# Altium PCB Quark_no.PcbDoc (part 3 of 3)
Units mil, origin at the board's own origin, x right, y up, seen from the top; angles counter-clockwise.
Board outline 877.01 x 1246.5 mil, 6 copper layers (Top1, Signal2, Power4, Gnd3, Signal5, Bottom6), stack 33.911 mil thick; 123 components, 164 nets, 918 pads, 390 vias.
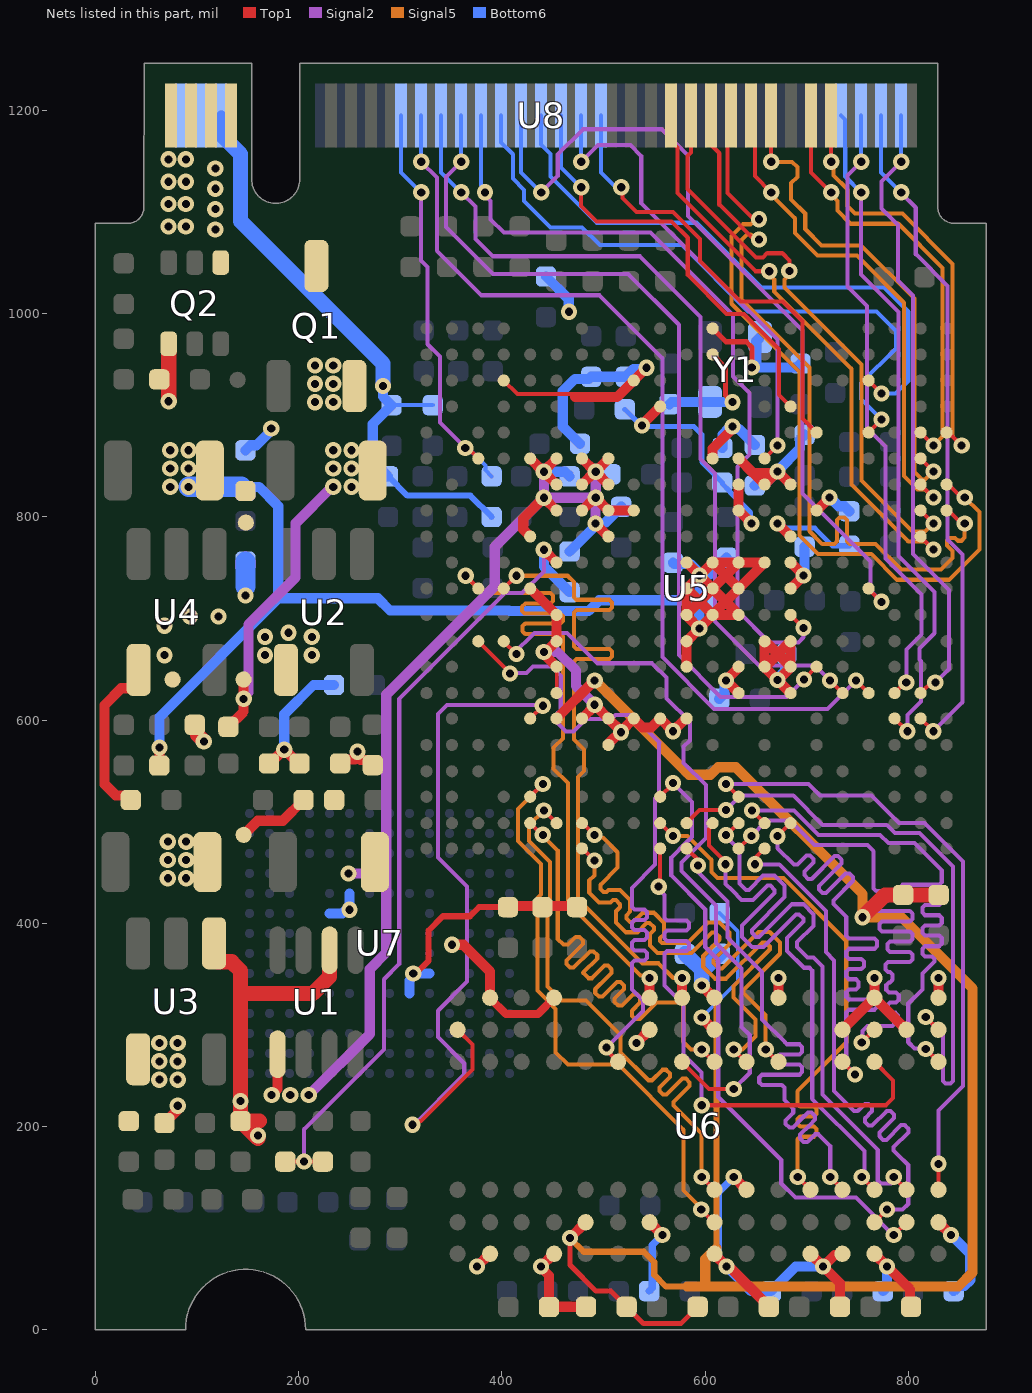
[diagram p7: the nets of this part, all layers, seen from the top]

## Via types
v1: diameter 16, hole 8, Top1 to Bottom6, tented both sides, 390 vias

## Nets (pads, with @x,y where several pads share a name; then routed paths per layer and width w, separated by ;. In a path a pad name is that pad's centre, name@x,y a point inside that pad or via, vN(x,y) a via of type N, cw(c..) or ccw(c..) an arc to the next point about the centre after c; other vN are vias at no path point) (continued)
SDQ5: U5.T20 U6.H7 | length 570.4
  Top1 w4: v1(441.37,511.15) U5.T20@453.87,498.65 ; v1(596.72,150.31) U6.H7@609.22,137.81
  Signal5 w4: v1(441.37,511.15) 426.87,496.65 426.87,481.13 447.5,460.5 447.5,423.5 445,421 445,338 459,324 483,324 517,290 517,273 544.41,245.59 547.95,245.59 558.27,255.91 561.8,255.91 565.34,252.37 565.34,248.84 555.02,238.52 555.02,234.98 558.55,231.45 562.09,231.45 577.75,247.1 581.28,247.1 584.82,243.57 584.82,240.03 569.16,224.37 569.16,220.84 596.72,193.28 v1(596.72,150.31)
SDQ6: U5.U19 U6.H8 | length 570.7
  Top1 w4: U5.U19@427.87,524.65 v1(440.37,537.15) ; v1(596.22,118.31) U6.H8@608.72,105.81
  Signal5 w4: v1(440.37,537.15) 416,512.78 416,481 438.47,458.53 438.47,428.61 435,425.14 435,333.86 453,315.86 453,273 465,261 514.86,261 579,196.86 579,137 v1@597,119
SDQ7: U5.U20 U6.H3 | length 562.6
  Top1 w4: U5.U20@427.87,498.65 v1@440.37,486.15 ; v1(596.72,275.8) U6.H3@609.22,263.3
  Signal5 w4: v1@440.37,486.15 455,471.52 455,384.66 460.66,379 465.05,379 472.72,386.67 476.25,386.67 479.79,383.13 479.79,379.6 476.55,376.36 463.64,363.45 463.64,359.92 467.17,356.38 470.71,356.38 486.86,372.53 490.39,372.53 493.93,368.99 493.93,365.46 479.89,351.42 485.3,346 488.62,346 500.96,358.35 504.54,358.39 508.07,354.85 508.07,351.32 504.03,347.28 491.92,335.17 491.92,331.63 495.46,328.1 498.99,328.1 513.14,342.24 516.68,342.24 520.21,338.71 520.21,335.17 511.07,326.02 511.07,322.49 514.6,318.95 518.14,318.95 529.18,330 533.66,330 536,327.66 536,322 528,314 528,309 531,306 536,306 552,322 576,322 578.52,319.48 578.52,283.48 586.2,275.8 v1(596.72,275.8)
  other v1: 440.37,487.15
SDQ8: U5.J19 U6.A7 | length 615.9
  Top1 w4: v1(620.55,537.15) U5.J19@633.05,524.65 ; U6.A7@829.7,137.81 v1(829.7,163.3)
  Signal2 w4: v1(620.55,537.15) 701.85,537.15 713,526 764,526 791,499 816,499 854,461 854,240 829.7,215.7 v1(829.7,163.3)
SDQ9: U5.H20 U6.A3 | length 612
  Top1 w4: v1(646.14,511.15) U5.H20@658.64,498.65 ; v1(817.2,276.3) U6.A3@829.7,263.8
  Signal2 w4: v1(646.14,511.15) 687.55,511.15 711.7,487 772.37,487 780.37,479 806,479 833,452 833,440.5 830.5,438 794.5,438 792,435.5 792,430.5 794.5,428 830.5,428 833,425.5 833,420.5 830.5,418 816.5,418 814,415.5 814,410.5 816.5,408 830.5,408 833,405.5 833,400.5 830.5,398 816.5,398 814,395.5 814,390.5 816.5,388 830.5,388 833,385.5 833,380 830.5,377.5 816.5,377.5 814,375 814,370 816.5,367.5 823.5,367.5 826,365 826,362.5 814,350.5 814,335 800,321 800,283 806.05,276.95 816.54,276.95 v1(817.2,276.3)
SDQ10: U5.H21 U6.C8 | length 587.1
  Top1 w4: v1@646.14,461.15 U5.H21@658.64,473.65 ; U6.C8@766.7,105.81 v1(779.2,118.31)
  Signal2 w4: v1@646.14,461.15 v1(649.14,458.15) 673.06,458.15 719,412.21 719,371.61 727,363.61 727,235 745,217 746.77,215.23 750.3,215.23 757.25,222.18 760.78,222.18 764.32,218.64 764.32,215.11 757.37,208.16 757.37,204.63 760.91,201.09 764.45,201.09 778.87,215.52 782.41,215.52 785.94,211.98 785.94,208.45 771.52,194.02 771.52,190.48 775.05,186.95 778.59,186.95 793.02,201.38 796.55,201.38 800.09,197.84 800.09,194.31 785.66,179.88 785.66,176.34 790.96,171.04 798.03,163.97 800,162 800,124 794.31,118.31 v1(779.2,118.31)
SDQ11: U5.J21 U6.C2 | length 613.2
  Top1 w4: U5.J21@633.05,473.65 v1(645.55,486.15) ; v1(754.2,282.8) U6.C2@766.7,295.3
  Signal2 w4: v1(645.55,486.15) 660.55,501.15 683.4,501.15 707.55,477 760,477 766,471 766,434.49 768.49,432 779.5,432 782,429.5 782,424.5 779.5,422 767.99,422 765.49,419.5 765.49,414.5 767.99,412 801.5,412 804,409.5 804,404.5 801.5,402 774.05,402 771.55,399.5 771.55,394.5 774.05,392 801.5,392 804,389.5 804,384.5 801.5,382 781.91,382 779.41,379.5 779.41,374.5 781.91,372 801.5,372 804,369.5 804,364.5 801.5,362 779.91,362 777.41,359.5 777.41,354.5 779.91,352 782.2,352 784.7,349.5 784.7,344.5 782.2,342 780.87,342 778.37,339.5 778.37,334.5 780.87,332 788.13,332 790.63,329.5 790.63,324.5 788.13,322 781.91,322 779.41,319.5 779.41,314.5 781.91,312 787.5,312 790,309.5 790,304.5 784.5,299 760,299 754.9,293.9 754.9,283.49 v1(754.2,282.8)
SDQ12: U5.L20 U6.A2 | length 613
  Top1 w4: U5.L20@581.87,498.65 594.72,511.5 v1(620.55,511.5) ; v1(817.2,307.8) U6.A2@829.7,295.3
  Signal2 w4: v1(620.55,511.5) 635.05,526 686.84,526 715.84,497 778.86,497 786.86,489 811,489 844,456 844,245 841.5,242.5 836.5,242.5 834,245 834,290.99 v1(817.2,307.8)
SDQ13: U5.L21 U6.D7 | length 585.7
  Top1 w4: U5.L21@581.87,473.65 v1@594.37,461.15 ; v1(723.21,150.31) U6.D7@735.71,137.81
  Signal2 w4: v1(593,457) 593,450.42 622,421.42 622,386.24 656,352.24 656,316 656,305.5 678,283.5 680.5,281 693,281 695.5,278.5 695.5,273.5 693,271 673.57,271 671.07,268.5 671.07,263.5 673.57,261 693,261 695.5,258.5 695.5,253.5 693,251 655.85,251 653.35,248.5 653.35,243.5 655.85,241 675.5,241 678,238.5 678,226 686.84,217.16 686.84,213.63 679.39,206.18 679.39,202.65 682.93,199.11 686.47,199.11 695.68,208.32 701.27,213.91 704.8,213.91 708.34,210.38 708.34,206.84 702.75,201.25 693.54,192.04 693.54,188.5 697.07,184.97 700.61,184.97 708.05,192.41 711.59,192.41 723.21,180.79 v1(723.21,150.31)
SDQ14: U5.M21 U6.C3 | length 586.2
  Top1 w4: v1(554.37,436.15) 555.87,437.65 U5.M21@555.87,473.65 ; v1@601,221 778,221 785,228 785,245.5 U6.C3@766.7,263.8
  Signal2 w4: v1(554.37,436.15) 554.37,433.44 560,427.81 560,405.31 562.5,402.81 581.7,402.81 584.2,400.31 584.2,395.31 581.7,392.81 562.5,392.81 560,390.31 560,385.31 562.5,382.81 581.7,382.81 584.2,380.31 584.2,375.31 581.7,372.81 562.5,372.81 560,370.31 560,339 579,320 579,271 596.72,253.28 v1(596.72,221)
SDQ15: U5.M19 U6.B8 | length 620.7
  Top1 w4: U5.M19@555.87,524.65 v1@568.37,537.15 ; v1(785.7,93.31) U6.B8@798.2,105.81
  Signal2 w4: v1@569.37,537.15 587,519.52 587,485 582,480 566.75,464.75 566.75,447.28 600.2,413.83 600.2,376.8 613,364 613,229 675,167 675,144 689,130 748.42,130 785.11,93.31 v1(785.7,93.31)
  other v1: 568.37,538.15
SDQM0: U5.M20 U6.E7 | length 570.4
  Top1 w4: U5.M20@555.87,498.65 v1(568.37,486.15) ; v1(691.21,150.31) U6.E7@703.71,137.81
  Signal5 w4: v1(568.37,486.15) 582.94,486.15 606.5,462.59 606.5,450.41 612.45,444.46 677.33,444.46 738.98,382.8 738.98,282.55 691.21,234.79 691.21,222.5 693.71,220 707.2,220 709.7,217.5 709.7,212.5 707.2,210 693.71,210 691.21,207.5 691.21,202.5 693.71,200 707.2,200 709.7,197.5 709.7,192.5 707.2,190 693.71,190 691.21,187.5 691.21,180 691.21,175 v1(691.21,150.31)
SDQM1: U5.G20 U6.D3 | length 614.5
  Top1 w4: v1(671.43,485.85) U5.G20@684.23,498.65 ; U6.D3@735.21,263.8 v1(747.71,251.3)
  Signal2 w4: v1(671.43,485.85) 671.43,473.92 687.34,458.01 690.88,458.01 699.87,467 703.41,467 706.95,463.47 706.95,459.93 697.95,450.93 697.95,447.4 701.48,443.86 705.02,443.86 727.34,466.18 730.88,466.18 734.41,462.65 734.41,459.11 712.09,436.79 712.09,433.26 715.63,429.72 719.16,429.72 738.46,449.02 741.99,449.02 745.53,445.48 745.53,441.95 726.23,422.65 726.23,419.11 736.67,408.67 739,406.35 739,387.5 741.5,385 766.91,385 769.41,382.5 769.41,377.5 766.91,375 741.5,375 739,372.5 739,367.5 741.5,365 753.74,365 756.24,362.5 756.24,357.5 753.74,355 741.5,355 739,352.5 739,347.5 741.5,345 748.66,345 751.16,342.5 751.16,337.5 748.66,335 741.5,335 739,332.5 739,327.5 741.5,325 766.91,325 769.41,322.5 769.41,317.5 766.91,315 741.5,315 739,312.5 739,260.01 v1(747.71,251.3)
SDQS0_N: U5.R21 U6.G3 | length 562.8
  Top1 w4: U5.R21@479.47,473.65 v1(491.17,461.95) ; v1(628.22,275.8) U6.G3@640.72,263.3
  Signal5 w4: 486,441 486,430.54 495.81,420.73 507.02,420.73 509.23,422.94 512.16,422.94 516.3,418.8 516.3,415.87 ; 486,442 491.17,447.17 v1@491.17,462.95 ; 513.3,412.87 516.3,415.87 ; 546.61,390.37 549.61,393.37 ; 599.05,368.88 614.05,383.88 614.05,386.81 609.9,390.95 606.97,390.95 586.76,370.74 553.41,370.74 545.8,378.35 545.8,389.57 549.61,393.37 ; 613.24,383.07 598.24,368.07 598.24,356.86 609.59,345.5 620.8,345.5 656.61,381.31 659.54,381.31 663.68,377.17 663.68,374.24 627.88,338.43 627.88,327.22 649.62,305.48 649.62,288.62 636.8,275.8 v1(628.22,275.8) ; 516.3,415.87 512.5,412.06 512.5,400.85 522.11,391.23 533.32,391.23 542.54,400.44 545.46,400.44 549.61,396.3 549.61,393.37
SDQS0_P: U5.R20 U6.F3 | length 563.4
  Top1 w4: U5.R20@478.87,498.65 479.47,498.65 v1(491.17,486.95) ; v1(659.72,275.8) U6.F3@672.22,263.3
  Signal5 w4: v1(491.17,486.95) 493.46,484.65 499.35,484.65 514,470 514,455 497,438 497,433.68 499.95,430.73 502.88,430.73 505.09,432.94 516.3,432.94 517.77,431.48 524.84,424.4 526.3,422.94 526.3,411.73 522.5,407.92 522.5,404.99 526.25,401.23 529.18,401.23 538.39,410.44 549.61,410.44 551.07,408.98 558.14,401.91 559.61,400.44 559.61,389.23 555.8,385.42 555.8,382.5 557.56,380.74 582.62,380.74 602.83,400.95 614.05,400.95 624.04,390.95 624.04,379.74 608.24,363.93 608.24,361 613.73,355.5 616.66,355.5 652.47,391.31 663.68,391.31 673.68,381.31 673.68,370.1 637.88,334.29 637.88,331.36 659.62,309.62 659.62,275.89 v1(659.72,275.8)
SDQS1_N: U5.J20 U6.B7 | length 611
  Top1 w4: v1@620.25,485.85 U5.J20@633.05,498.65 ; v1(785.7,150.31) U6.B7@798.2,137.81
  Signal2 w4: v1@620.25,485.85 634,472.11 634,439.24 640.2,433.05 643.12,433.05 657.2,447.12 668.41,447.12 678.41,437.12 678.41,425.9 646.2,393.69 646.2,390.76 650.34,386.62 653.27,386.62 685.48,418.83 696.69,418.83 706.69,408.83 706.69,397.62 690.62,381.55 690.62,378.62 690.62,376.62 700.67,366.58 706.67,366.58 715.5,357.74 715.5,231.5 770,177 770,147 773,144 783,144 785.7,146.7 v1(785.7,150.31)
  other v1: 620.55,486.85
SDQS1_P: U5.K20 U6.C7 | length 584.3
  Top1 w4: U5.K20@607.46,498.65 607.46,496.49 604,493.03 604,476.51 v1@620.25,460.26 ; v1(754.2,150.31) U6.C7@766.7,137.81
  Signal2 w4: v1@620.25,460.26 v1(620.25,458.15) 620.25,438.85 626.93,432.17 636.05,423.05 647.27,423.05 661.34,437.12 664.27,437.12 668.41,432.97 668.41,430.05 636.2,397.83 636.2,386.62 646.2,376.62 657.41,376.62 689.62,408.83 692.55,408.83 696.69,404.69 696.69,401.76 682.62,387.69 680.62,385.69 680.62,372.98 697.27,356.33 702.77,356.33 705.5,353.6 705.5,227.36 757,175.86 757,156.35 754.2,153.56 v1(754.2,150.31)
SODT0: U5.W11 U6.K1 | length 691
  Top1 w4: v1(364.37,742.15) U5.W11@376.87,729.65
  Top1 w10: U6.K1@545.48,326.79 v1(545.48,346.28)
  Signal5 w4: v1(364.37,742.15) 381.52,725 447.66,725 450.16,722.5 450.16,717.5 447.66,715 423.37,715 420.03,711.66 420.03,707.34 422.37,705 457.5,705 460,702.5 460,697.5 457.5,695 423.03,695 420.53,692.5 420.53,687.5 423.03,685 457.5,685 460,682.5 460,582 451,573 451,552 465,538 465,420.06 536.48,348.58 543.18,348.58 v1(545.48,346.28)
SODT1: U5.V11 U6.J1 | length 687.7
  Top1 w4: U5.V11@401.87,729.65 v1(414.37,742.15)
  Top1 w10: U6.J1@577.48,326.79 v1(577.48,346.28)
  Signal5 w4: v1(414.37,742.15) 464.85,742.15 471,736 471,721 473.5,718.5 505.97,718.5 508.47,716 508.47,711 505.97,708.5 473.5,708.5 471,706 471,672.5 473.5,670 505.97,670 508.47,667.5 508.47,662.5 505.97,660 473.5,660 471,657.5 471,581 481,571 481,550 475,544 475,424.2 538.47,360.74 554.26,360.74 568.72,346.28 v1(577.48,346.28)
SPI0_CLK: U5.B16 U8.72 | length 668.5
  Top1 w4: U5.B16@812.18,601.65 v1(824.68,589.15)
  Signal2 w4: v1(793.05,1119.5) 793.05,1118.7 807.4,1104.36 807.4,1058.6 838.8,1027.2 838.8,777.6 853.2,763.2 853.2,617.67 v1(824.68,589.15)
  Bottom6 w4: U8.72@773.37,1195.14 773.37,1139.19 v1(793.05,1119.5)
SPI0_CS: U5.B15 U8.74 | length 616.6
  Top1 w4: U5.B15@812.18,626.65 v1@824.68,639.15
  Signal2 w4: v1(793.05,1149.57) 773.79,1130.31 773.79,1103.8 790,1087.59 790,1032.6 804.8,1017.8 804.8,763.4 840,728.2 840,650.47 v1(826.68,637.15)
  Bottom6 w4: v1(793.05,1149.57) U8.74@793.05,1195.14
SPI0_MISO: U5.C16 U8.68 | length 674.1
  Top1 w4: U5.C16@786.59,601.65 v1(799.09,589.15)
  Signal2 w4: v1(753.68,1119.5) 753.68,1038.52 790.4,1001.8 790.4,761.6 826,726 826,685.56 811.18,670.74 811.18,659.56 812.59,658.15 812.59,618.59 799.09,605.09 v1(799.09,589.15)
  Bottom6 w4: U8.68@734,1195.14 737.9,1191.23 737.9,1163.39 738,1163.3 738,1135.18 v1(753.68,1119.5)
SPI0_MOSI: U5.C15 U8.70 | length 617.9
  Top1 w4: U5.C15@786.59,626.65 v1@799.09,639.15
  Signal2 w4: v1(753.68,1149.57) 740,1135.89 740,1026.8 759.2,1007.6 759.2,887.6 777.6,869.2 777.6,759.2 813.18,723.62 813.18,684.56 798.09,669.47 v1(798.09,637.15)
  Bottom6 w4: v1(753.68,1149.57) U8.70@753.68,1195.14
SRAS: U5.V13 U6.J3 | length 728.6
  Top1 w4: U5.V13@401.87,677.65 v1(414.37,665.15) ; U6.J3@577,264 604,237 v1(628.22,237)
  Signal2 w4: v1@411,665 432,686 464,686 494,656 548,656 562,642 562,621.52 585,598.52 585,580 579,574 579,558 601,536 601,484.09 576.75,459.84 576.75,451.42 610.7,417.47 610.7,380.73 636,355.43 636,298 644,290 644,252.78 v1(628.22,237)
SRST: U5.U16 U6.T2 | length 705.4
  Top1 w4: v1@318.68,205.27 320.27,205.27 371,256 371,280.77 U6.T2@356.48,295.3 ; U5.U16@427.87,601.65 v1(440.37,614.15)
  Signal2 w4: v1@311.95,200 363,251.05 363,262 337,288 337,314 365.67,342.67 365.67,436.33 337,465 337,606 346,615 439.52,615 v1(440.37,614.15)
  other v1: 311.95,201.8
SVREF: C21.2 C22.2 C23.1 C24.2 R17.1 R19.2 U5.T16 U6.H1 U6.M8 | length 1955.9
  Top1 w5: v1(467,90.33) 467,63.68 492.68,38 507.4,38 R17.1@522.8,22.6 539.4,6 576.2,6 R19.2@592.8,22.6
  Top1 w10: U5.T16@453.87,601.65 v1(491.37,639.15) ; v1(467,90.33) U6.M8@482.48,105.81 ; v1(596.72,338.79) U6.H1@609.22,326.29
  Top1 w15: v1(755,406) 777,428 C22.2@795,428 C21.2@830,428
  Signal5 w6: v1(467,90.33) 480.52,76.81 539.83,76.81 549.97,66.66 549.97,56.3 ; 550,56.27 550,54 561.4,42.6 582.12,42.6 ; 611.22,80.5 611.22,324.29
  Signal5 w10: v1(491.37,639.15) 584.16,546.35 605.44,546.35 612.74,553.65 630.35,553.65 755,429 v1(755,406) 793.31,406 863.4,335.91 863.4,56.6 849.4,42.6 600.2,42.6 ; 582.12,42.6 600.2,42.6 ; v1(596.72,338.79) 611.22,324.29 ; 611.22,80.5 600.2,69.48 600.2,42.6
  Bottom6 w15: C24.2@580.16,370 584.87,365.28 585.35,365.28 596.72,353.91 596.72,352.31 ; v1(596.72,338.79) 596.72,352.31 ; C23.1@614.42,370 596.72,352.31
SWE: U5.W13 U6.L3 | length 693.7
  Top1 w4: U5.W13@376.87,677.65 405.52,649 v1@407,649 ; v1@498,280.28 U6.L3@514.48,263.8
  Signal2 w4: v1@407,649 v1@408,649 ; v1(408,646) 408.4,646.4 424.4,646.4 430.65,652.65 448.66,652.65 458,643.31 458,610 455,607 455,597 463.35,588.65 470.65,588.65 483,601 508,601 512,605 528,605 555,578 554.87,577.87 554.87,526.87 550.87,522.87 550.87,457.87 528,435 528,415.98 530.5,413.48 540.25,413.48 542.75,410.98 542.75,405.98 540.25,403.48 530.5,403.48 528,400.98 528,395.98 530.5,393.48 540.25,393.48 542.75,390.98 542.75,385.98 540.25,383.48 530.5,383.48 528,380.98 528,375.98 530.5,373.48 540.25,373.48 542.75,370.98 542.75,365.98 540.25,363.48 530.5,363.48 528,360.98 528,335 539,324 539,313.84 v1(502.98,277.81)
UART0_RX: U5.H6 U8.42 | length 474.5
  Top1 w4: U5.H6@658.64,857.6 v1(671.43,870.4)
  Signal2 w4: v1(478.09,1149.57) 494.52,1166 526.47,1166 537.2,1155.27 537.2,1108.8 671.43,974.57 v1(671.43,870.4)
  Bottom6 w4: v1(478.09,1149.57) U8.42@478.09,1195.14
UART0_TX: U5.F5 U8.44 | length 450.2
  Top1 w4: v1(517.46,1124.5) 518.58,1123.38 518.58,1113.82 532.4,1100 568.43,1100 595,1073.43 595,1051.8 634.8,1012 676.4,1012 696,992.4 696,897.01 U5.F5@709.82,883.19
  Bottom6 w4: U8.44@497.78,1195.14 497.78,1139.19 v1@517.46,1119.5
UART1_RX: U5.D3 U8.38 | length 588.5
  Top1 w4: U5.D3@761,934.37 v1(773.8,921.58)
  Bottom6 w4: U8.38@438.72,1195.14 438.72,1166.68 448,1157.4 448,1135 493.4,1089.6 591.8,1089.6 655.4,1026 776,1026 800,1002 800,934 787.58,921.58 v1(773.8,921.58)
UART1_TX: U5.G4 U8.40 | length 428.1
  Top1 w4: v1@478.09,1119.5 478.09,1105.91 493,1091 566.82,1091 583,1074.82 583,1038 621.2,999.8 638.2,999.8 672.73,965.27 672.73,920.28 U5.G4@684.23,908.78
  Bottom6 w4: U8.40@458.41,1195.14 458.41,1144.19 v1(478.09,1124.5)
UART2_RX: U5.D5 U8.34 | length 640.3
  Top1 w4: U5.D5@761,883.19 v1(773.8,895.99)
  Bottom6 w4: U8.34@399.35,1195.14 399.35,1168.65 411,1157 411,1133 422,1122 422,1111 448,1085 479,1085 496.4,1067.6 577.2,1067.6 642.4,1002.4 768.8,1002.4 788,983.2 788,966 753.68,931.68 753.68,916.1 v1(773.8,895.99)
UART2_TX: U5.D11 U8.36 | length 813.7
  Top1 w4: U5.D11@761,729.65 761,729.24 v1(773.8,716.45)
  Signal2 w4: v1(438.72,1119.5) 455,1135.78 455,1156.6 480,1181.6 557.4,1181.6 583.2,1155.8 583.2,1096.4 696,983.6 696,823 762.8,756.2 762.8,727.44 v1(773.8,716.45)
  Bottom6 w4: U8.36@419.04,1195.14 419.04,1139.19 v1(438.72,1119.5)
UART3_CTS: U5.D15 U8.26 | length 940.5
  Top1 w4: v1(748.5,639.15) U5.D15@761,626.65
  Signal2 w4: v1(320.61,1149.57) 336,1134.19 336,1062 379.8,1018.2 496,1018.2 558,956.2 558,662 609,611 720.35,611 v1(748.5,639.15)
  Bottom6 w4: v1(320.61,1149.57) U8.26@320.61,1195.14
UART3_RTS: U5.F14 U8.30 | length 875.2
  Top1 w4: v1(697.32,640.15) U5.F14@709.82,652.65
  Signal2 w4: v1(359.98,1149.57) 345,1134.59 345,1085.2 391.2,1039 524.4,1039 574.2,989.2 574.2,663.95 615.15,623 680.17,623 v1(697.32,640.15)
  Bottom6 w4: v1(359.98,1149.57) U8.30@359.98,1195.14
UART3_RX: U5.G12 U8.32 | length 794
  Top1 w4: U5.G12@684.23,703.65 v1(697.02,690.85)
  Signal2 w4: v1(383.35,1119.5) 383.35,1116.8 389,1111.16 389,1093 402,1080 546.37,1080 627.4,998.97 627.4,938.2 643.8,921.8 643.8,861.4 631.8,849.4 631.8,707.8 663.2,676.4 691.8,676.4 697.02,681.62 v1(697.02,690.85)
  Bottom6 w4: U8.32@379.67,1195.14 379.67,1126.43 383.35,1122.75 v1(383.35,1119.5)
UART3_TX: U5.E15 U8.28 | length 849.2
  Top1 w4: v1(722.91,639.15) U5.E15@735.41,626.65
  Signal2 w4: v1(359.98,1119.5) 374,1105.48 374,1073.8 391.2,1056.6 535.8,1056.6 595.6,996.8 595.6,857 609.6,843 609.6,697.2 653,653.8 708.26,653.8 v1(722.91,639.15)
  Bottom6 w4: U8.28@340.3,1195.14 340.3,1139.19 v1(359.98,1119.5)
UBOOT: R22.1 U5.W6 U8.24 | length 410.7
  Top1 w4: v1(364,868) 366.47,868 U5.W6@376.87,857.6
  Signal2 w4: v1(320.61,1119.5) 320.61,1052.39 327,1046 327,970 339,958 339,893 v1(364,868)
  Bottom6 w4: U8.24@300.93,1195.14 300.93,1139.19 v1(320.61,1119.5) ; v1(364,868) 366.47,868 383.85,850.62 383.85,846.15 R22.1@390,840
USB-DM0: U5.B5 U8.65 | length 427.4
  Top1 w4: U8.65@704.47,1195.14 704.47,1139.19 v1(724.16,1119.5) ; U5.B5@812.18,883.19 v1(824.98,870.4)
  Signal5 w4: v1(724.16,1119.5) 724.16,1117.18 730.18,1111.16 730.18,1101.82 743.4,1088.6 790.18,1088.6 833.77,1045.01 833.77,879.19 v1(824.98,870.4)
USB-DM1: U5.B7 U8.59 | length 495.8
  Top1 w4: U8.59@645.42,1195.14 645.42,1171.58 649.07,1167.93 649.07,1135.53 v1(665.1,1119.5) ; U5.B7@812.18,832.01 v1(824.98,819.22)
  Signal5 w4: v1(665.1,1119.5) 665.1,1117.52 688.63,1094 688.63,1079.38 710.6,1057.4 749.45,1057.4 796,1010.85 796,840.19 809.18,827.01 816.63,827.01 824.43,819.22 v1(824.98,819.22)
USB-DM2: U5.A8 U8.55 | length 764.5
  Top1 w4: U8.55@606.05,1195.14 606.05,1165.95 614,1158 614,1107.32 v1@653.13,1068.18 ; U5.A8@839.77,806.42 v1@852.57,793.63
  Signal5 w4: v1@656.38,1073.18 v1(653.13,1073.18) 649.89,1073.18 644.98,1078.09 641.48,1078.09 636,1072.61 636,1014 703,947 703,785.94 715.34,773.6 727.4,773.6 729.9,776.1 729.9,796.99 732.4,799.49 737.4,799.49 739.9,796.99 739.9,776.1 742.4,773.6 767.75,773.6 793.15,748.2 832.2,748.2 843.5,759.5 843.5,766.7 838.2,772 838.2,776.6 841,779.4 846,779.4 848.8,776.6 852.37,776.6 855.57,779.8 v1(855.57,793.63)
USB-DM3: U5.B9 U8.51 | length 570.2
  Top1 w4: U8.51@566.68,1195.14 566.68,1169.55 572.7,1163.52 572.7,1118.77 649.6,1041.87 v1(663.18,1041.87) ; U5.B9@812.18,780.83 v1(824.98,768.04)
  Signal5 w4: v1(663.18,1041.87) 663.18,1038.62 668.09,1033.71 668.09,1021.77 744,945.86 744,831.86 800.03,775.83 816.63,775.83 824.43,768.04 v1(824.98,768.04)
USB-DP0: U5.A5 U8.67 | length 423.4
  Top1 w4: v1(724.16,1149.57) U8.67@724.16,1195.14 ; U5.A5@839.77,883.19 v1(852.57,870.4)
  Signal5 w4: v1(724.16,1149.57) 726.45,1147.28 726.45,1136.3 740.18,1122.56 740.18,1105.96 747.54,1098.6 794.32,1098.6 843.77,1049.15 843.77,879.19 v1(852.57,870.4)
USB-DP1: U5.B6 U8.61 | length 493.5
  Top1 w4: v1(665.1,1149.57) U8.61@665.1,1195.14 ; U5.B6@812.18,857.6 v1(824.98,844.81)
  Signal5 w4: v1@665.1,1148.44 v1(665.1,1149.57) 685.63,1149.57 690.89,1144.31 690.89,1134.83 684.8,1128.74 684.8,1112.6 698.63,1098.77 698.63,1083.52 714.75,1067.4 753.6,1067.4 806,1014.99 806,844.33 813.32,837.01 816.63,837.01 824.43,844.81 v1(824.98,844.81)
USB-DP2: U5.A7 U8.57 | length 763.8
  Top1 w4: U8.57@625.73,1195.14 625.73,1169.73 622.07,1166.07 622.07,1118.91 629.98,1111 v1@653,1088 ; U5.A7@839.77,832.01 v1@852.57,819.22
  Signal5 w4: v1@656.25,1093 v1(653,1093) 649.75,1093 644.84,1088.09 637.34,1088.09 626,1076.75 626,1009.86 693,942.86 693,781.8 711.2,763.6 763.61,763.6 789.01,738.2 840.2,738.2 870,768 870,804.78 v1(855.57,819.22)
USB-DP3: U5.B8 U8.53 | length 569.8
  Top1 w4: U8.53@586.36,1195.14 586.36,1158.82 582.7,1155.17 582.7,1122.91 650.25,1055.37 656.97,1055.37 661.2,1059.6 676,1059.6 683,1052.6 v1(683,1042) ; U5.B8@812.18,806.42 v1(824.98,793.63)
  Signal5 w4: v1(683,1042) 683,1038.75 678.09,1033.84 678.09,1025.91 754,950 754,836 804.17,785.83 816.63,785.83 824.43,793.63 v1(824.98,793.63)
VCC-DRAM: C13.2 C14.2 C15.2 C16.2 C17.2 C18.2 C19.2 C20.2 C23.2 L2.2 R3.1 R17.2 T3.0 U5.L16 U5.M16 U5.N16 U5.P16 U5.P17 U5.R16 U5.T12 U5.T13 U5.T14 U5.T15 U5.U11 U6.A1 U6.A8 U6.B2 U6.C1 U6.C9 U6.D2 U6.D9 U6.E9 U6.F1 U6.G7 U6.H2 U6.H9 U6.K2 U6.K8 U6.N1 U6.N9 U6.R1 U6.R9 | length 1895.5
  Top1 w3.5: U5.T15@453.87,626.65 U5.T14@453.87,652.65
  Top1 w4: U6.R1@387.97,326.79 U6.R1@388.48,326.29
  Top1 w8: U6.R1@388.48,326.79 388.48,326.29 403.96,310.8 435.48,310.8 U6.N1@451.48,326.79
  Top1 w10: R3.1@130.85,593.4 145.85,608.4 v1(145.85,621) T3.0@145.85,640 ; v1(350.87,379) 362,379 388.48,352.52 U6.R1@388.48,326.79 ; v1(375.47,62.31) U6.R9@387.97,74.81 ; U5.U11@427.87,729.65 U5.T12@453.87,703.65 U5.T13@453.87,677.65 441.37,665.15 U5.T14@453.87,652.65 ; U6.N9@451.48,74.81 450.97,74.81 v1(438.47,62.31) 438.47,61.38 446.4,53.45 C17.2@446.4,22.4 446.6,22.6 R17.2@482.8,22.6 ; U5.R16@478.87,601.65 491.37,614.15 492.37,614.15 U5.P16@504.87,601.65 v1@517.37,589.15 ; U5.P17@504.87,575.65 504.87,576.19 505.87,577.19 505.87,577.65 v1@517.37,589.15 ; v1(532.47,282.29) U6.K2@544.97,294.79 ; U6.K8@545.48,105.81 v1(557.98,93.31) ; U5.L16@581.87,601.65 581.32,601.65 580.32,600.65 579.87,600.65 v1(568.37,589.15) U5.M16@555.87,601.65 547.01,592.79 538.72,592.79 U5.N16@529.87,601.65 v1@517.37,589.15 ; v1(596.72,307.29) U6.H2@609.22,294.79 ; U6.H9@608.72,74.81 v1(621.22,62.31) 622.37,61.16 624.84,61.16 657.8,28.2 657.8,27.6 C14.2@662.8,22.6 ; v1(628.22,150.31) U6.G7@640.72,137.81 ; U6.F1@672.22,326.79 v1(672.22,346.28) ; U6.E9@703.71,74.81 v1(716.21,62.31) ; C16.2@732.8,22.6 732.8,45.72 v1(716.21,62.31) ; U6.D9@735.21,74.81 734.06,73.66 727.56,73.66 v1(716.21,62.31) ; U6.D2@735.21,295.3 U6.C1@766.7,326.79 ; U6.C9@766.7,74.81 v1(779.2,62.31) 801.71,39.8 801.71,23.69 C15.2@802.8,22.6 ; v1(766.7,346.28) U6.C1@766.7,326.79 ; U6.B2@798.2,295.3 U6.C1@766.7,326.79 ; U6.A8@829.7,105.81 v1(842.2,93.31) ; U6.A1@829.7,326.79 v1(829.7,346.28)
  Signal2 w10: v1(145.85,621) 145.85,622.62 150.5,627.27 150.5,694.17 197,740.67 197,793.79 232.87,829.66 v1(234.07,829.66) ; v1(441.37,667.15) 454.85,667.15 473,649 473,633.52 v1(491.37,615.15)
  Bottom6 w3.5: v1(596.72,307.29) 632,342.57 632,392.42 C23.2@615.66,408.76
  Bottom6 w4: C23.2@614.42,410 C23.2@615.66,408.76
  Bottom6 w7: C20.2@545,38 548,41 548,83.33 v1(557.98,93.31) ; v1(621.22,62.31) 621.22,62.69 613,70.91 613,135.09 v1(628.22,150.31)
  Bottom6 w10: v1(621.22,62.31) 645.53,38 C19.2@665,38 689.31,62.31 v1(716.21,62.31) ; C13.2@775,38 779.2,42.2 v1(779.2,62.31) ; v1(842.2,93.31) 861,74.5 861,48.86 855.14,43 849.68,43 C18.2@844.68,38
  other v1: 517.37,588.15 252.07,829.66 234.07,847.66 252.07,847.66 234.07,865.66 252.07,865.66
VDD1V1-EPHY: C38.2 R7.2 U5.F8 | length 79.6
  Top1 w10: U5.F8@709.82,806.42 v1(722.61,819.22)
  Bottom6 w10: R7.2@147.65,865.6 152.65,870.6 158.6,870.6 171.85,883.85 171.85,885.85 v1(173,887) v1@173,888.59 ; v1@723,819 723.09,819 731.47,810.62 737,810.62 C38.2@742,805.62
VDD1V2-SYS: C7.2 C34.2 C35.2 C36.2 L4.2 R7.1 R9.2 T2.0 U5.H10 U5.J10 U5.J11 U5.J12 U5.K10 U5.K11 U5.K12 U5.L10 U5.L11 U5.L12 U5.L13 U5.L14 | length 1437.9
  Top1 w10: R9.2@62.85,555.4 62.93,555.47 62.93,572.93 v1(63,573) v1@62.85,573.15 ; U5.L14@581.87,652.65 U5.L13@581.87,677.65 v1(594.37,690.15) ; U5.L11@581.87,729.65 U5.L12@581.87,703.65 581.87,703.11 582.87,702.11 582.87,701.65 v1(594.37,690.15) ; U5.L10@581.87,755.24 v1(594.66,742.45) ; U5.L12@583.32,705.52 U5.K11@607.46,729.65 v1(594.66,742.45) ; U5.L11@583.32,727.78 U5.K12@607.46,703.65 ; U5.L11@583.32,731.11 v1(594.66,742.45) ; U5.K12@608.91,705.52 U5.J11@633.05,729.65 620.25,742.45 ; U5.K11@608.91,727.78 U5.J12@633.05,703.65 607.87,703.65 v1(594.37,690.15) ; U5.K11@608.91,731.11 620.25,742.45 ; U5.K10@608.91,753.78 620.25,742.45 ; U5.J11@634.5,731.11 U5.H10@658.64,755.24 U5.J10@633.05,755.24 ; v1(594.66,742.45) U5.K10@607.46,755.24 U5.J10@633.05,755.24 ; 620.25,742.45 U5.J10@633.05,755.24
  Bottom6 w10: v1(63,573) 63,603 180,720 ; R7.1@143.6,829.66 161,829.66 180,810.66 180,720 ; C34.2@568.37,755 569.49,753.88 585.53,753.88 595.81,743.59 604.81,743.59 C35.2@621.22,760 ; v1(594.37,690.15) 594.37,714.37 C36.2@598,718 C36.2@594.66,718 ; v1(594.66,742.45) C36.2@594.66,718 ; 180,720 277.87,720 289.87,708 407,708 407.5,707.5 485.38,707.5 495.88,718 C36.2@594.66,718
  Bottom6 w20: v1(91.67,829.66) R7.1@143.6,829.66
  other v1: 73.67,829.66 73.67,847.66 91.67,847.66 73.67,865.66 91.67,865.66
VDD-CPUS: C29.2 C30.2 U5.J7 U5.J8 U5.M4 | length 263.8
  Top1 w10: v1(538,890) 538,890.92 U5.M4@555.87,908.78 ; U5.J7@633.05,832.01 U5.J8@633.05,806.42 v1(645.84,793.63)
  Bottom6 w5: C30.2@521,905.91 536.91,890 v1(538,890) 539,889 589,889 597,881 597,854 C29.2@617,834 617,832.65 624.5,825.15 624.5,824.5 644.65,804.35 644.65,794.82 v1(645.84,793.63)
VDD-CPUX: C2.2 C3.2 C39.2 C40.2 C41.2 L1.2 R26.2 T4.0 U1.5 U5.N8 U5.P6 U5.P7 U5.P8 U5.P9 U5.R6 U5.R7 U5.R8 U5.T6 U5.T7 U5.T8 U5.U6 U5.U9 | length 1320.6
  Top1 w10: T4.0@145.85,487.15 159.7,501 184.45,501 C3.2@204.85,521.4 ; v1(173.41,231) 179.26,236.86 U1.5@179.26,271.22 ; U5.U9@427.87,780.83 421,787.7 421,798.56 v1(441.37,818.92) U5.T8@453.87,806.42 ; U5.U6@427.87,857.6 v1@440.37,845.1 ; v1(441.37,844.51) U5.T7@453.87,832.01 ; v1@441.37,845.1 U5.T6@453.87,857.6 ; U5.R8@478.87,806.42 v1@491.37,818.92 ; U5.R7@478.87,832.01 v1@491.37,844.51 ; U5.R6@478.87,857.6 v1@491.37,845.1 ; v1(492.07,793.63) U5.P9@504.87,780.83 ; v1(492.37,818.92) U5.P8@504.87,806.42 U5.N8@529.87,806.42 ; U5.P7@504.87,832.01 v1(492.37,844.51) U5.P6@504.87,857.01
  Signal2 w10: v1(210,231) 270,291 270,355 286.28,371.28 286.28,449 ; v1(249,449) 286.28,449 ; v1(441.37,844.51) v1(441.37,818.92) ; v1(492.07,793.63) 492.07,818.63 v1(492.37,818.92) ; v1(492.37,844.51) v1(492.37,818.92) ; 286.28,449 286.28,625.13 393,731.85 393,770.56 v1(441.37,818.92) ; v1(441.37,818.92) v1(492.37,818.92)
  Bottom6 w10: v1(441.37,844.51) 462.2,844.51 C41.2@466.71,840 ; R26.2@466.71,766 490.92,790.21 490.92,792.48 v1(492.07,793.63) ; 502.24,794.78 C40.2@517.46,810
  other v1: 191.7,231
VDD_5V: C1.2 C4.2 C8.2 C11.2 Q1.2 Q2.4 U1.2 U2.4 U3.1 U3.4 U8.1 U8.3 | length 430.9
  Top1 w15: v1(72.06,913.94) Q2.4@72.06,970.4 ; C4.2@97.85,595.4 100.35,592.9 100.35,585.61 106.69,579.27 v1(106.69,579) ; U3.1@116.85,380.26 116.85,366.48 121.16,362.16 134.06,362.16 142.85,353.38 C1.2@142.85,205.4 ; 145,331 214,331 230.45,347.45 U1.2@230.45,373.58 ; v1@160,188.25 C1.2@142.85,205.4 ; 161.4,205.4 C1.2@142.85,205.4
  other v1: 160,191.25 142.85,225 62.9,246.2 80.9,246.2 62.9,264.2 80.9,264.2 62.9,282.2 80.9,282.2 167,664 213,664 167,682 213,682 190,686 216,913 234,913 216,931 234,931 216,949 234,949 72,1086 89,1086 72,1108 89,1108 72,1130 89,1130 72,1152 89,1152
VDD_AV_3.3V: C10.2 C12.2 C37.1 C42.2 L5.2 R21.2 R22.2 R23.2 R24.2 R27.1 R28.1 U5.G9 U5.K6 U5.N3 U5.V3 U8.6 | length 1138.3
  Top1 w4: U5.V3@401.87,934.37 415.24,921 472,921
  Top1 w10: 472,918 513.49,918 U5.N3@529.87,934.37 v1(542.37,946.87) ; U5.K6@607.46,857.6 607.46,867.46 v1@625,885 ; v1(671.43,793.63) U5.G9@684.23,780.83
  Bottom6 w4: R27.1@291.46,910 R28.1@332,910
  Bottom6 w5: v1(671.43,793.63) 674.41,793.63 679.04,789 708,789 725.29,771.71 C42.2@742,771.71
  Bottom6 w6: C12.2@288,840 307,821 369,821 R22.2@390,800
  Bottom6 w10: U8.6@123.76,1195.14 124.67,1194.23 U8.6@124.67,1175.33 ; v1(283,929) 283,918.46 R27.1@291.46,910 272.96,891.5 272.96,855.04 C12.2@288,840 ; R24.2@443.41,1036.71 465.79,1014.32 v1@465.79,1002.21 ; v1@464.85,1003.15 v1@465.79,1002.21 ; v1(466,1002) v1@465.79,1002.21 ; R21.2@477,872 460,889 460,924 471.86,935.86 485.86,935.86 C10.2@488,938 R23.2@522,938 529.73,945.73 541.22,945.73 v1(542.37,946.87) ; C37.1@617,868 617.14,868.14 617.14,881.04 623,886.9 633.01,886.9 L5.2@649,870.91
  Bottom6 w15: U8.6@124.67,1175.33 142.85,1157.15 142.85,1091.15 283,951 v1(283,929)
  other v1: 627,889
VDD_CPUFB: C5.2 R2.2 R26.1 U5.T10 | length 816.9
  Top1 w4: C5.2@186.85,165.51 v1(205.35,165.51) R2.2@223.85,165.51
  Top1 w10: v1(441.37,767.74) U5.T10@453.87,755.24
  Signal2 w4: v1(205.35,165.51) 205.35,197.35 284,276 284,345 299,360 299,621 403,725 420,725 441.37,746.37 v1(441.37,767.74)
  Bottom6 w10: v1(441.37,767.74) 441.37,751.35 R26.1@466.71,726
VDD_EMMC_3.3V: C54.2 C55.2 C56.2 L6.2 R34.1 U7.E6 U7.F5 U7.J10 U7.K9 | length 310.2
  Top1 w3.5: C55.2@406,416 C55.2@407,417
  Top1 w6: v1(312.8,350.72) 315.51,350.72 328,363.21 328,393 342,407 368.5,407 377.5,416 C55.2@406,416
  Top1 w10: L6.2@240.85,557.4 244.72,561.27 255.27,561.27 257.8,563.8 260.95,560.65 268,560.65 C54.2@273,555.65 ; C55.2@407,417 R34.1@474,417
  Bottom6 w3.5: v1(312.8,350.72) v1@320.08,350.72
  Bottom6 w10: U7.K9@230.41,409.77 243.05,409.77 246.71,413.43 v1(250.09,413.43) 250.09,420.7 U7.J10@250.09,429.45 ; U7.F5@309.15,331.03 v1@309.15,343.68 ; v1@320.08,350.71 U7.E6@328.83,350.71
  other v1: 258,569
VDD_SYS_3.3V: C6.2 C9.2 C25.2 C26.2 C27.2 C28.2 L3.2 L5.1 L6.1 R1.2 R6.2 R8.1 T5.0 U4.4 U5.G7 U5.G10 U5.G11 U5.G13 U5.G14 U5.G15 U5.H7 U5.H13 U5.H14 U5.J6 U5.J14 U5.J15 U8.2 U8.4 | length 862
  Top1 w10: C9.2@34.85,521.4 30.25,526 20,526 9,537 9,615 25.37,631.37 35.71,631.37 42.45,638.12 U4.4@42.45,649.46 ; R8.1@67.88,203.48 80,215.6 80,219.48 v1(81,220.48) ; C6.2@170.85,557.4 175.85,562.4 176.99,562.4 184.99,570.4 186.71,570.4 194.71,562.4 195.85,562.4 L6.1@200.85,557.4 ; U5.J15@633.05,626.65 v1(620.55,639.15) U5.J14@633.34,651.95 ; U5.J6@633.05,857.6 647.55,843.1 668.1,843.1 669.81,844.81 v1(671.43,844.81) ; U5.J6@634.5,856.15 U5.H7@658.64,832.01 v1(671.43,844.81) ; U5.H14@658.64,652.65 U5.H13@658.64,677.65 ; U5.H13@660.09,676.78 U5.G14@684.23,652.65 U5.G13@684.23,677.65 ; U5.G13@682.77,676.38 658.64,652.24 v1(671.43,639.45) ; U5.G15@684.23,626.65 v1(671.43,639.45) ; U5.G14@684.23,652.24 v1(671.43,639.45) ; U5.G11@684.23,729.65 v1(697.02,742.45) U5.G10@684.23,755.24 ; U5.G7@684.23,832.01 v1(671.43,844.81)
  Bottom6 w10: v1(185.85,571) 185.85,605.85 214.6,634.6 R1.2@234.8,634.6 ; C28.2@614,621 619,626 619,635.98 620.55,637.53 v1(620.55,639.15) ; L5.1@649,830.91 653.87,835.78 662.41,835.78 v1(671.43,844.81) 671.43,845.43 693.36,867.36 693.36,876.36 C26.2@698,881 ; v1(671.43,639.45) 671.43,641.07 678.56,648.2 678.56,663.71 C25.2@680,665.15 ; v1(697.02,742.45) 698,743.42 C27.2@698,770.62
  Bottom6 w20: 147.65,731.65 R6.2@147.65,756
  other v1: 71.27,444.46 89.27,444.46 71.27,462.46 89.27,462.46 71.27,480.46 89.27,480.46 68,664 68,693 93,702.12 121,702.12 147.65,722.65 118,1083 118,1103 118,1123 118,1143
VDD_USB_5V: Q1.3 Q2.1 U8.5 U8.7
XIN: C32.2 U5.K2 Y1.1 | length 117.9
  Top1 w5: U5.K2@607.46,959.96 619.96,947.46 619.96,920.04 v1(627,913)
  Bottom6 w10: C32.2@565,911 567,913 v1(627,913)
XOUT: C31.1 U5.K1 Y1.3 | length 149.4
  Top1 w5: U5.K1@607.46,985.56 620.55,972.46 640.53,972.46 646.14,966.86 646.14,947.14 v1(646,947)
  Bottom6 w10: Y1.3@654.21,977 650.33,973.12 650.33,952.95 646,948.62 v1(646,947) 690,947 C31.1@694,951
pads on no net: U1.1 U5.A1 U5.A10 U5.A11 U5.A13 U5.A14 U5.A16 U5.AA2 U5.AA8 U5.AA9 U5.AA11 U5.AA12 U5.AA14 U5.AA15 U5.AA17 U5.AA18 U5.B1 U5.B2 U5.B10 U5.B11 U5.B12 U5.C1 U5.C2 U5.C3 U5.C5 U5.C6 U5.C7 U5.C8 U5.C9 U5.C10 U5.C11 U5.C12 U5.C14 U5.D6 U5.D8 U5.D10 U5.D13 U5.E2 U5.E3 U5.E8 U5.E10 U5.E13 U5.E14 U5.F1 U5.F2 U5.F3 U5.F10 U5.F13 U5.F16 U5.G1 U5.G2 U5.G5 U5.H2 U5.H3 U5.H4 U5.J1 U5.J2 U5.J3 U5.K3 U5.K4 U5.L2 U5.L5 U5.M1 U5.M2 U5.M3 U5.N1 U5.P2 U5.P3 U5.R2 U5.T3 U5.T4 U5.T5 U5.U4 U5.V1 U5.V5 U5.W1 U5.W9 U5.W12 U5.W15 U5.Y2 U5.Y7 U5.Y8 U5.Y9 U5.Y10 U5.Y11 U5.Y12 U5.Y13 U5.Y14 U5.Y15 U5.Y16 U5.Y17 U7.A1 U7.A2 U7.A7 U7.A8 U7.A9 U7.A10 U7.A11 U7.A12 U7.A13 U7.A14 U7.B1 U7.B7 U7.B8 U7.B9 U7.B10 U7.B11 U7.B12 U7.B13 U7.B14 U7.C1 U7.C3 U7.C5 U7.C7 U7.C8 U7.C9 U7.C10 U7.C11 U7.C12 U7.C13 U7.C14 U7.D1 U7.D2 U7.D3 U7.D4 U7.D12 U7.D13 U7.D14 U7.E1 U7.E2 U7.E3 U7.E5 U7.E8 U7.E9 U7.E10 U7.E12 U7.E13 U7.E14 U7.F1 U7.F2 U7.F3 U7.F10 U7.F12 U7.F13 U7.F14 U7.G1 U7.G2 U7.G3 U7.G10 U7.G12 U7.G13 U7.G14 U7.H1 U7.H2 U7.H3 U7.H5 U7.H12 U7.H13 U7.H14 U7.J1 U7.J2 U7.J3 U7.J12 U7.J13 U7.J14 U7.K1 U7.K2 U7.K3 U7.K6 U7.K7 U7.K10 U7.K12 U7.K13 U7.K14 U7.L1 U7.L2 U7.L3 U7.L12 U7.L13 U7.L14 U7.M1 U7.M2 U7.M3 U7.M7 U7.M8 U7.M9 U7.M10 U7.M11 U7.M12 U7.M13 U7.M14 U7.N1 U7.N3 U7.N6 U7.N7 U7.N8 U7.N9 U7.N10 U7.N11 U7.N12 U7.N13 U7.N14 U7.P1 U7.P2 U7.P7 U7.P8 U7.P9 U7.P10 U7.P11 U7.P12 U7.P13 U7.P14

## Polygon pours and split planes (outlines as drawn)
GND on Top1 "Top1-No Net" (hatched Horizontal grid 4 track 5, remove dead copper, pour order 38): 0,0 -0.16,1089.02 31.93,1089.02 ccw(c31.88,1104.81) 47.68,1104.76 47.87,1246.5 153.78,1246.38 153.78,1132.32 ccw(c177.4,1132.32) 201.02,1132.32 201.02,1246.5 829.17,1246.5 829.17,1104.76 ccw(c844.9,1104.74) 844.92,1089.02 876.85,1089.02 876.85,0 206.89,0 ccw(c147.83,0.43) 88.78,0
VDD_5V on Top1 "Top1-VDD_5V 1" (hatched Horizontal grid 4 track 5, remove dead copper, pour order 30): 131,226 138,233 147.65,233 153.78,226.87 153.78,225.61 153.78,221.22 168,207 168,180.8 151.6,180.8 131,201.4
VDD_SYS_3.3V on Top1 "Top1-VDD_SYS_3.3V" (hatched Horizontal grid 4 track 5, remove dead copper, pour order 28): 121.27,433 121.27,488 65.27,488 65.27,433
NetL3_1 on Top1 "Top1-NetL3_1" (hatched Horizontal grid 4 track 5, remove dead copper, pour order 26): 53,356.63 8,356.63 8,492 53,492
VDD_5V on Top1 "Top1-VDD_5V 2" (hatched Horizontal grid 4 track 5, remove dead copper, pour order 24): 21.97,292.2 21.97,197 43,197 43,224.3 58.9,240.2 86.9,240.2 86.9,292.2
VDD-CPUX on Top1 "Top1-VDD-CPUX" (hatched Horizontal grid 4 track 5, remove dead copper, pour order 22): 186,292 186,248 193,241 212,241 218,235 218,228 214,224 169,224 162,231 162,292
VDD-CPUX on Top1 "Top1-VDD-CPUX 1" (hatched Horizontal grid 4 track 5, remove dead copper, pour order 20): 288,432 236,432 236,483.77 217.77,502 199,502 196,505 196,531 254,531 254,507 271,490 288,490
NetL1_1 on Top1 "Top1-NetL1_1" (hatched Horizontal grid 4 track 5, remove dead copper, pour order 18): 212,350 212,488 169,488 169,425 197,397 197,350
VDD_SYS_3.3V on Top1 "Top1-VDD_SYS_3.3V 1" (hatched Horizontal grid 4 track 5, remove dead copper, pour order 16): 9,708 19,718 122,718 144,740 153,740 157,736 157,708 136,687 97.85,687 88,677.15 88,631.37 35.71,631.37 9,631
VDD1V2-SYS on Top1 "Top1-VDD1V2-SYS" (hatched Horizontal grid 4 track 5, remove dead copper, pour order 14): 156,836 156,788.64 153.82,786 141,786 139,788 139,812 137,814 72.6,814 67.67,818.92 67.67,874 123.67,874 123.67,842.12 129.79,836
NetL4_1 on Top1 "Top1-NetL4_1" (hatched Horizontal grid 4 track 5, remove dead copper, pour order 12): 55,738 55,873 9,873 9,738.02 8.98,738
VDD_5V on Top1 "Top1-VDD_5V 3" (hatched Horizontal grid 4 track 5, remove dead copper, pour order 10): 159,658.12 169.88,647.24 169.88,630.12 176,624 202,624 219.8,641.8 219.8,694.8 159,695.01
VCC-DRAM on Top1 "Top1-VCC-DRAM" (hatched Horizontal grid 4 track 5, remove dead copper, pour order 8): 284.07,819.66 284.07,864.66 277.07,871.66 228.07,871.66 228.07,819.66
NetL2_1 on Top1 "Top1-NetL2_1" (hatched Horizontal grid 4 track 5, remove dead copper, pour order 6): 200,739 200,873 170,873 170,739
VDD_USB_5V on Top1 "Top1-VDD_5V" (hatched Horizontal grid 4 track 5, remove dead copper, pour order 4): 151,1098 167,1082 213,1082 230,1065 230,1020 132.54,1020 115,1037.55 115,1071.15 108.15,1078 108.15,1244 151,1244
VDD_5V on Top1 "Top1-VDD_5V 4" (hatched Horizontal grid 4 track 5, remove dead copper, pour order 2): 266,903 266,948 259,955 210,955 210,903
VDD_5V on Top1 "Top1-VDD_5V" (hatched Horizontal grid 4 track 5, remove dead copper, pour order 0): 99,1078 53,1078 53,1244 99,1244
GND on Signal2 "Top1-No Net" (hatched Horizontal grid 4 track 5, remove dead copper, pour order 39): 0,0 -0.16,1089.02 31.93,1089.02 ccw(c31.88,1104.81) 47.68,1104.76 47.87,1246.5 153.78,1246.38 153.78,1132.32 ccw(c177.4,1132.32) 201.02,1132.32 201.02,1246.5 829.17,1246.5 829.17,1104.76 ccw(c844.9,1104.74) 844.92,1089.02 876.85,1089.02 876.85,0 206.89,0 ccw(c147.83,0.43) 88.78,0
VDD_SYS_3.3V on Signal2 "Signal2-VDD_SYS_3.3V" (hatched Horizontal grid 4 track 5, remove dead copper, pour order 36): 96.67,1155.2 99.59,1158.12 145.88,1158.12 150,1154 150,1045 60,955 60,744.83 66.71,738.12 159,738.12 159,709.12 138.88,689 113,689 66.71,642.71 66.71,616.83 66.71,526.96 106,487.67 106,439 97,430 2,430 2,1022.12 2,1033.12 43,1074.12 94.41,1074.12 96.67,1076.39
GND on Bottom6 "Top1-No Net" (hatched Horizontal grid 4 track 5, remove dead copper, pour order 43): 0,0 -0.16,1089.02 31.93,1089.02 ccw(c31.88,1104.81) 47.68,1104.76 47.87,1246.5 153.78,1246.38 153.78,1132.32 ccw(c177.4,1132.32) 201.02,1132.32 201.02,1246.5 829.17,1246.5 829.17,1104.76 ccw(c844.9,1104.74) 844.92,1089.02 876.85,1089.02 876.85,0 206.89,0 ccw(c147.83,0.43) 88.78,0
VDD_SYS_3.3V on Bottom6 "Bottom6-VDD_SYS_3.3V" (hatched Horizontal grid 4 track 5, remove dead copper, pour order 32): 131,988.4 131,1150.89 113,1170.12 113,1229 49,1229 49,1083 2,1036 2,262.12 2,248.12 39.47,210.65 89.27,210.65 89.27,232 60,232 49,243 49,382 106,439 106,478.77 49,535.77 49,606 159,716 159,766 75,766 60,781 60,917.4
GND on Signal5 "Top1-No Net" (hatched Horizontal grid 4 track 5, remove dead copper, pour order 41): 0,0 -0.16,1089.02 31.93,1089.02 ccw(c31.88,1104.81) 47.68,1104.76 47.87,1246.5 153.78,1246.38 153.78,1132.32 ccw(c177.4,1132.32) 201.02,1132.32 201.02,1246.5 829.17,1246.5 829.17,1104.76 ccw(c844.9,1104.74) 844.92,1089.02 876.85,1089.02 876.85,0 206.89,0 ccw(c147.83,0.43) 88.78,0
VDD_AV_3.3V on Power4 (split plane): 575.4,922.4 577.05,921.29 579,920.9 694.89,920.9 759.9,855.89 759.9,799.11 742.89,782.1 691.11,782.1 687.6,785.6 685.95,786.71 684,787.1 672.11,787.1 666.1,793.11 666.1,810.89 669.33,814.12 692.05,791.4 693.7,790.29 695.65,789.9 737,789.9 738.95,790.29 740.6,791.4 748.6,799.4 749.71,801.05 750.1,803 750.1,844 749.71,845.95 748.6,847.6 694.6,901.6 692.95,902.71 691,903.1 649,903.1 647.05,902.71 645.4,901.6 543.89,800.1 443.03,800.1 441.08,799.71 439.43,798.6 425.92,785.1 218.11,785.1 206.1,797.11 206.1,894.9 239.8,894.9 241.75,895.29 243.41,896.4 253.6,906.59 254.71,908.25 255.1,910.2 255.1,941.78 289.69,941.78 296.9,934.57 296.9,905.11 276.89,885.1 236.42,885.1 234.47,884.71 232.81,883.6 220.33,871.12 219.22,869.47 218.84,867.51 218.84,834.07 219.22,832.12 220.33,830.46 238.4,812.4 240.05,811.29 242,810.9 384,810.9 385.95,811.29 387.6,812.4 437.6,862.4 438.71,864.05 439.1,866 439.1,990.89 454.11,1005.9 491.89,1005.9
VDD1V1-EPHY on Power4 (split plane): 195.9,795 196.29,793.05 197.4,791.4 212.4,776.4 214.05,775.29 216,774.9 428.03,774.9 429.99,775.29 431.64,776.4 445.15,789.9 546,789.9 547.95,790.29 549.6,791.4 651.11,892.9 688.89,892.9 739.9,841.89 739.9,805.11 734.89,800.1 697.76,800.1 676.54,821.33 697.6,842.4 698.71,844.05 699.1,846 699.1,864 698.71,865.95 697.6,867.6 694.1,871.1 692.45,872.21 690.5,872.6 663.59,872.6 661.64,872.21 659.99,871.1 650.94,862.06 643.4,854.52 616.4,827.51 615.29,825.86 614.9,823.91 614.9,752.11 594.89,732.1 292.85,732.1 290.9,731.71 289.25,730.6 233.1,674.46 233.1,685 232.71,686.95 231.6,688.6 155.1,765.11 155.1,894.9 195.9,894.9
VDD_EMMC_3.3V on Power4 (split plane): 265.9,405.28 266.29,403.32 267.4,401.67 316.9,352.16 316.9,346.2 307.01,346.2 239.1,414.11 239.1,564.89 249.64,575.43 265.9,575.43
VDD_SYS_3.3V on Power4 (split plane): 688.9,861.89 688.9,849 688.9,848.11 657.4,816.6 656.29,814.95 655.9,813 655.9,791 656.29,789.05 657.4,787.4 666.4,778.4 668.05,777.29 670,776.9 681.89,776.9 696.02,762.77 702.4,756.4 703.9,754.89 703.9,738.43 685.08,719.6 683.97,717.95 683.58,716 683.58,640.79 674.89,632.1 619.11,632.1 557.6,693.6 555.95,694.71 554,695.1 380.48,695.1 378.52,694.71 376.87,693.6 313.87,630.61 313.87,630.6 283.51,600.25 268.89,585.62 247.52,585.62 245.57,585.23 243.92,584.13 71.01,411.22 67.1,411.22 67.1,494.04 231.6,658.54 231.61,658.55 294.96,721.9 597,721.9 598.95,722.29 600.6,723.4 623.6,746.4 624.71,748.05 625.1,750 625.1,821.8 650.6,847.31 650.61,847.31 658.15,854.85 665.7,862.4 688.39,862.4
VDD_5V on Power4 (split plane): 102.81,1215.5 103.06,1215.3 103.06,1078 103.06,1032.85 103.44,1030.89 104.55,1029.24 117.55,1016.24 163.4,970.4 165.05,969.29 167,968.9 237.69,968.9 244.9,961.69 244.9,912.31 237.69,905.1 150,905.1 148.05,904.71 146.4,903.6 145.29,901.95 144.9,900 144.9,763 145.29,761.05 146.4,759.4 222.9,682.89 222.9,664.26 58.4,499.75 57.29,498.1 56.9,496.15 56.9,321 57.29,319.05 58.4,317.4 168.9,206.89 168.9,182.31 161.69,175.1 20.07,175.1 19.94,1068.24 20.62,1068.92 31.93,1068.92 32.63,1068.99 36.57,1069.25 41.17,1070.16 45.61,1071.67 49.82,1073.74 53.72,1076.35 57.25,1079.45 60.34,1082.97 62.95,1086.87 65.02,1091.08 66.53,1095.53 67.45,1100.13 67.7,1104.01 67.77,1104.74 67.93,1218.44 99.87,1218.44
VCC-DRAM on Power4 (split plane): 182 vertices, not listed, extent 20.07,20.1 856.75,1226.4
GND on Gnd3 (split plane): 809.08,1104.76 809.13,1104.2 809.4,1100.07 810.32,1095.48 811.82,1091.04 813.89,1086.84 816.5,1082.95 819.58,1079.43 823.1,1076.34 827,1073.74 831.2,1071.66 835.63,1070.16 840.23,1069.25 844.35,1068.97 844.92,1068.92 856.75,1068.92 856.75,20.1 244.28,20.1 242.65,28.58 235.3,46.62 224.55,62.86 210.82,76.69 194.66,87.55 176.68,95.04 157.57,98.86 138.09,98.86 118.99,95.04 101.01,87.55 84.84,76.69 71.12,62.86 60.37,46.62 53.02,28.58 51.39,20.1 20.09,20.1 19.94,1068.92 31.93,1068.92 32.63,1068.99 36.57,1069.25 41.17,1070.16 45.61,1071.67 49.82,1073.74 53.72,1076.35 57.25,1079.45 60.34,1082.97 62.95,1086.87 65.02,1091.08 66.53,1095.53 67.45,1100.13 67.7,1104.01 67.77,1104.74 67.94,1226.38 133.68,1226.3 133.68,1132.32 133.69,1132.23 134.06,1126.62 135.18,1121.01 137.01,1115.59 139.54,1110.47 142.72,1105.71 146.49,1101.41 150.79,1097.64 155.54,1094.46 160.67,1091.93 166.09,1090.1 171.7,1088.98 177.4,1088.61 183.11,1088.98 188.72,1090.1 194.13,1091.93 199.26,1094.46 204.01,1097.64 208.31,1101.41 212.08,1105.71 215.26,1110.47 217.79,1115.59 219.63,1121.01 220.74,1126.62 221.11,1132.22 221.12,1132.32 221.12,1226.4 809.08,1226.4

## Keep-outs
Keep-Out Layer:
  lines w0.5: 49.41,-0.29 cw(c147.83,0.43) 246.26,-0.29

## Other copper
Top1:
  rectangle net GND: 325,1166.12 533.59,1227
  pour cut-out: 197,1166.12 832,1166.12 832,1246.5 197,1246.5
Bottom6:
  pour cut-out: 197,1166.12 832,1166.12 832,1246.5 197,1246.5
Gnd3 (plane layer: these items are gaps in the copper):
  pour cut-out: 49.41,-0.29 cw(c147.83,0.43) 246.26,-0.29
Power4 (plane layer: these items are gaps in the copper):
  pour cut-out: 49.41,-0.29 cw(c147.83,0.43) 246.26,-0.29
  lines w10: -1,170 163.8,170 174,180.2 174,209 62,321 62,496.15 228,662.15 ; 62,406.12 73.12,406.12 247.52,580.52 271,580.52 ; 108.15,1220.85 108.15,1078 108.15,1032.85 167,974 ; 121.15,1019.85 167,974 ; 201,900 201,795 216,780 428.03,780 443.03,795 546,795 649,898 691,898 745,844 745,803 737,795 695.65,795 671.43,819.22 ; 234,565.3 234,412 304.9,341.1 322,341.1 322,354.28 271,405.28 271,580.52 ; 251,946.12 251.76,946.87 277,946.87 291.8,946.87 302,936.68 302,903 279,880 236.42,880 223.93,867.51 223.93,834.07 242,816 384,816 434,866 434,993 452,1011 494,1011 579,926 697,926 765,858 765,797 745,777 689,777 706,760 ; 281.88,591.4 317.48,627 ; 385,727 292.85,727 ; 488,727 597,727 ; 691,843 661,813 ; 694,849 694,864 ; 167,974 239.8,974 250,963.8 250,910.2 239.8,900 150,900 150,763 228,685 228,662.15 ; 228,662.15 292.85,727 ; 271,580.52 380.48,690 554,690 617,627 677,627 688.68,638.68 688.68,716 709,736.32 ; 292.85,727 597,727 ; 597,727 620,750 620,823.91 647,850.91 654.54,858.46 663.59,867.5 690.5,867.5 694,864 ; 661,813 694,846 694,864 ; 661,813 661,791 670,782 684,782 709,757 ; 694,864 694,863 694,864 ; 709,736.32 709,757 ; 709,736.32 709,757
  lines w15: -1,170 -1,1058 38,1097 38,1243 38,1226 80.9,1226 103,1226 108.15,1220.85

## Silkscreen, mask and mechanical layers (free items; w line width, h text height)
Top Overlay:
  text "GND" at 85,898 h35
  text "1V2" at 138,780 h35 r270
  text "3V3" at 53,608 h35
  text "1V5" at 125,606 h35
  text "1V1" at 137,477 h35 r270
Bottom Overlay:
  text "V1.0.0" at 816,89 h60
Mechanical 1:
  the board outline again, w0.5
Mechanical 4:
  circle w0.25: c0,0 r0.12
  circle w0.25: c876.85,0 r0.12
Mechanical 7:
  drawing of 2221 lines, arcs and shapes, not listed
Mechanical 13:
  drawing of 7373 lines, arcs and shapes, not listed